# Altium PCB Lighting_Control_Board.PcbDoc (part 1 of 2) (continued)
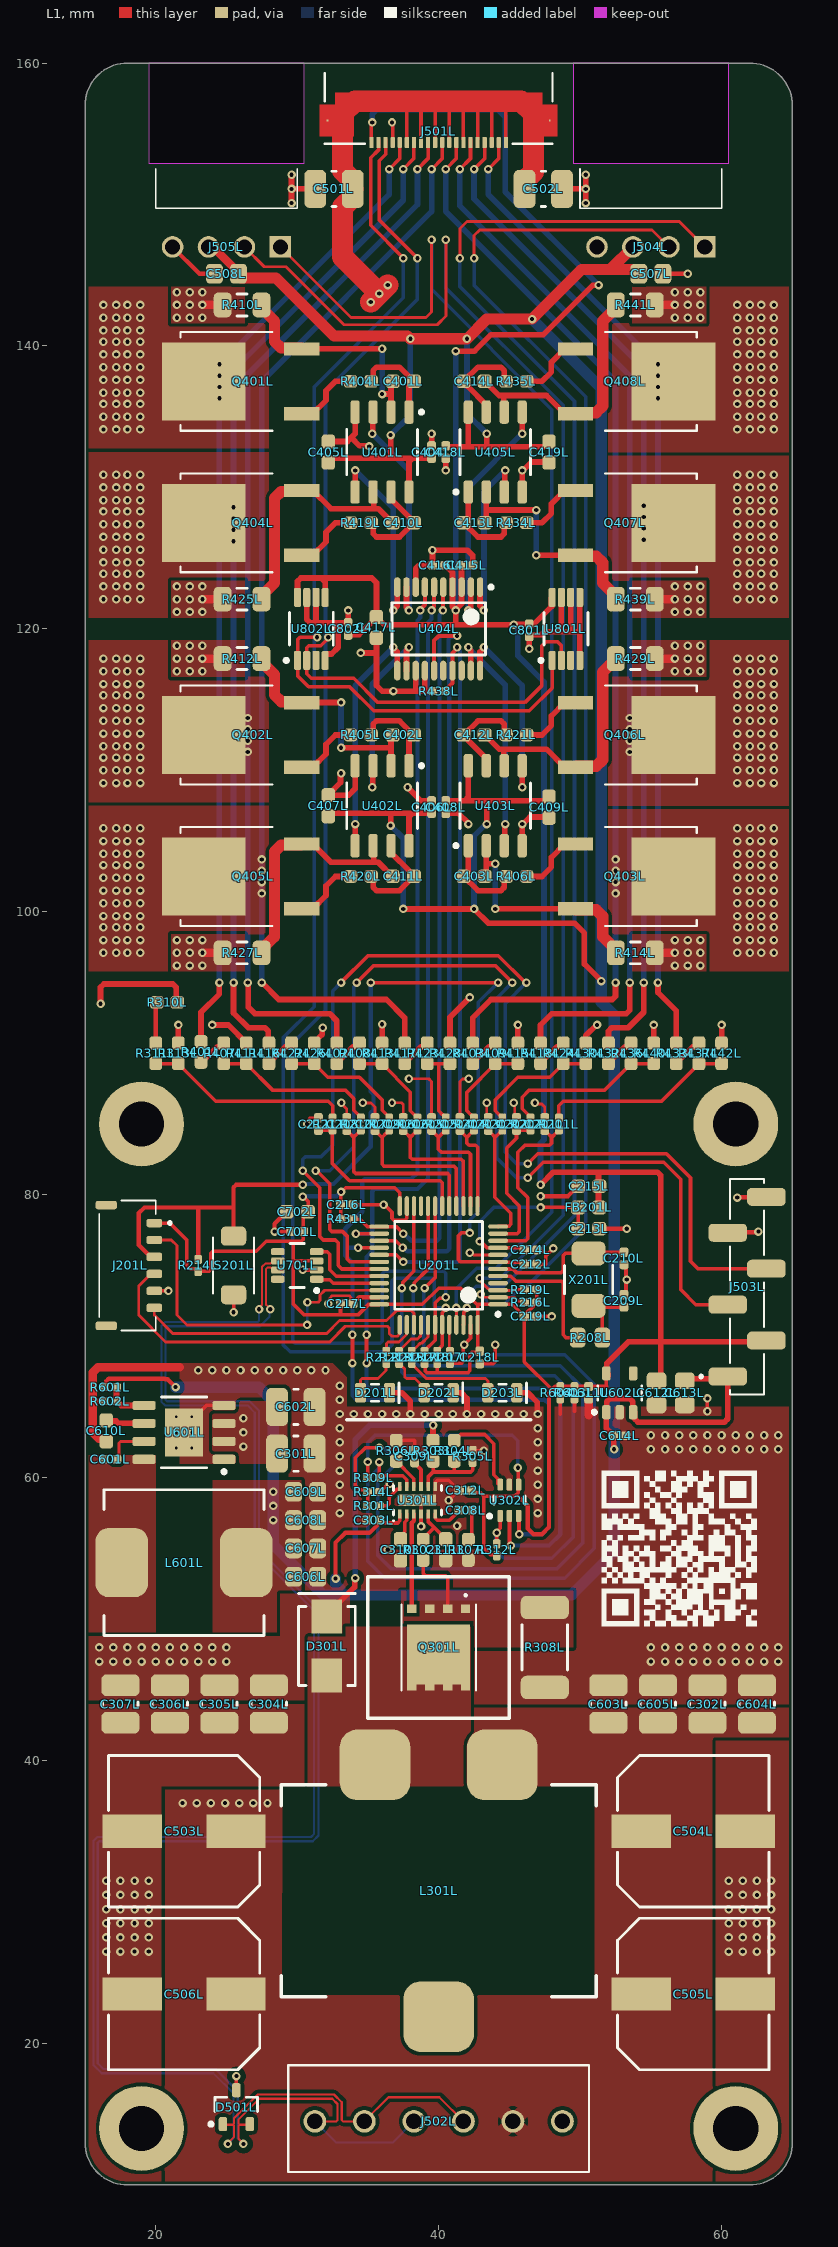
[diagram p0: L1 view]
## Part data (continued)
U201L: "MCU 32-bit STM32F1 ARM Cortex M3 RISC 64KB Flash 2.5V/3.3V 48-Pin LQFP Tray", Manufacturer=STMicroelectronics, Supplier Part Number=C8734, ComponentLink1Description="Manufacturer URL", ComponentLink1URL=http://www.st.com/web/en/home.html, ComponentLink2Description=Datasheet, ComponentLink2URL=http://www.st.com/st-web-ui/static/active/en/resource/technical/document/datasheet/CD00161566.pdf, ComponentLink3Description="Package Specification", ComponentLink3URL=http://www.st.com/st-web-ui/static/active/en/resource/technical/document/datasheet/DM00058181.pdf, ComponentLink4Description=https://datasheet.octopart.com:443/STM32F103C8T6-STMicroelectronics-datasheet-177520228.pdf?src-supplier=IHS, ComponentLink4URL=https://datasheet.octopart.com:443/STM32F103C8T6-STMicroelectronics-datasheet-177520228.pdf?src-supplier=IHS, ComponentLink5Description=https://datasheet.octopart.com:443/STM32F103C8T6-STMicroelectronics-datasheet-10330614.pdf?src-supplier=Newark, ComponentLink5URL=https://datasheet.octopart.com:443/STM32F103C8T6-STMicroelectronics-datasheet-10330614.pdf?src-supplier=Newark, ComponentLink6Description=https://datasheet.octopart.com:443/STM32F103C8T6-STMicroelectronics-datasheet-16839800.pdf?src-supplier=Newark, ComponentLink6URL=https://datasheet.octopart.com:443/STM32F103C8T6-STMicroelectronics-datasheet-16839800.pdf?src-supplier=Newark, ComponentLink7Description=https://datasheet.octopart.com:443/STM32F103C8T6-STMicroelectronics-datasheet-48026265.pdf?src-supplier=ICpick, ComponentLink7URL=https://datasheet.octopart.com:443/STM32F103C8T6-STMicroelectronics-datasheet-48026265.pdf?src-supplier=ICpick, ComponentLink8Description=https://datasheet.octopart.com:443/STM32F103C8T6-STMicroelectronics-datasheet-14363502.pdf?src-supplier=Farnell, ComponentLink8URL=https://datasheet.octopart.com:443/STM32F103C8T6-STMicroelectronics-datasheet-14363502.pdf?src-supplier=Farnell, ComponentLink9Description=https://datasheet.octopart.com:443/STM32F103C8T6-STMicroelectronics-datasheet-500013.pdf?src-supplier=Farnell, ComponentLink9URL=https://datasheet.octopart.com:443/STM32F103C8T6-STMicroelectronics-datasheet-500013.pdf?src-supplier=Farnell, ComponentLink10Description=https://datasheet.octopart.com:443/STM32F103C8T6-STMicroelectronics-datasheet-8365036.pdf?src-supplier=Farnell, ComponentLink10URL=https://datasheet.octopart.com:443/STM32F103C8T6-STMicroelectronics-datasheet-8365036.pdf?src-supplier=Farnell, ComponentLink11Description=https://datasheet.octopart.com:443/STM32F103C8T6-STMicroelectronics-datasheet-6396519.pdf?src-supplier=Verical, ComponentLink11URL=https://datasheet.octopart.com:443/STM32F103C8T6-STMicroelectronics-datasheet-6396519.pdf?src-supplier=Verical, ComponentLink12Description=https://datasheet.octopart.com:443/STM32F103C8T6-STMicroelectronics-datasheet-21407612.pdf?src-supplier=element14+APAC, ComponentLink12URL=https://datasheet.octopart.com:443/STM32F103C8T6-STMicroelectronics-datasheet-21407612.pdf?src-supplier=element14+APAC, ComponentLink13Description=https://datasheet.octopart.com:443/STM32F103C8T6-STMicroelectronics-datasheet-8700640.pdf?src-supplier=element14, ComponentLink13URL=https://datasheet.octopart.com:443/STM32F103C8T6-STMicroelectronics-datasheet-8700640.pdf?src-supplier=element14, ComponentLink14Description=https://datasheet.octopart.com:443/STM32F103C8T6-STMicroelectronics-datasheet-165583531.pdf?src-supplier=SOS+electronic, ComponentLink14URL=https://datasheet.octopart.com:443/STM32F103C8T6-STMicroelectronics-datasheet-165583531.pdf?src-supplier=SOS+electronic, ComponentLink15Description=https://datasheet.octopart.com:443/STM32F103C8T6-STMicroelectronics-datasheet-14106722.pdf?src-supplier=iiiC, ComponentLink15URL=https://datasheet.octopart.com:443/STM32F103C8T6-STMicroelectronics-datasheet-14106722.pdf?src-supplier=iiiC, ComponentLink16Description=https://datasheet.octopart.com:443/STM32F103C8T6-STMicroelectronics-datasheet-17594274.pdf?src-supplier=TME, ComponentLink16URL=https://datasheet.octopart.com:443/STM32F103C8T6-STMicroelectronics-datasheet-17594274.pdf?src-supplier=TME, ComponentLink17Description=https://datasheet.octopart.com:443/STM32F103C8T6-STMicroelectronics-datasheet-148251.pdf?src-supplier=Nu+Horizons, ComponentLink17URL=https://datasheet.octopart.com:443/STM32F103C8T6-STMicroelectronics-datasheet-148251.pdf?src-supplier=Nu+Horizons, Manufacturer Part Number=STM32F103C8T6, Supplier=LCSC
U301L: "2.2-MHz wide VIN, 1.5-A MOSFET driver, non-synchronous boost controller 12-WSON -40 to 125", Manufacturer="Texas Instruments", Supplier Part Number=C545416, ComponentLink1Description=https://octopart.com:443/opatz8j6/c1?t=c6AIob-Iis5SCHoBiusPCSqKGZ6B3yXO_U7xbhFU7xhSMeB0ZeEkSUNUQrZzrRJP1_k85mtbti4vGlCTcOsXwVX25JijyylDGytaFLaL5gCDTV6azvvJNDFVjU-1MpCvY-npD-y8Wq28vOVWJlIMGaErbmOh13xsk97pF5Oe2TpCHsvXUcof-Z0lbHCwiu-uGpE3CZ7f8b3u_BmxVnUzB-lg6luF278GTWjsnitjY7BOM0TFzqMffBAQyuC6YmAEr1bu-n7HivHCNiNXuB8H3vkZJAyqKEY35f0mmJ1017i2NvX7QV85zrQtzrulQpy6NnYKH1ppxjRNOWBVWR20Kd34QhGDayBEbZEWVyLaYYg5i9WcjOQ8vKKJ561E9IYA2-TIkA&src-supplier=Texas+Instruments, ComponentLink1URL=https://octopart.com:443/opatz8j6/c1?t=c6AIob-Iis5SCHoBiusPCSqKGZ6B3yXO_U7xbhFU7xhSMeB0ZeEkSUNUQrZzrRJP1_k85mtbti4vGlCTcOsXwVX25JijyylDGytaFLaL5gCDTV6azvvJNDFVjU-1MpCvY-npD-y8Wq28vOVWJlIMGaErbmOh13xsk97pF5Oe2TpCHsvXUcof-Z0lbHCwiu-uGpE3CZ7f8b3u_BmxVnUzB-lg6luF278GTWjsnitjY7BOM0TFzqMffBAQyuC6YmAEr1bu-n7HivHCNiNXuB8H3vkZJAyqKEY35f0mmJ1017i2NvX7QV85zrQtzrulQpy6NnYKH1ppxjRNOWBVWR20Kd34QhGDayBEbZEWVyLaYYg5i9WcjOQ8vKKJ561E9IYA2-TIkA&src-supplier=Texas+Instruments, ComponentLink2Description=https://sigma.octopart.com:443/81678663/technical_drawing/Texas-Instruments-LM5155DSSR.pdf?src-supplier=Texas+Instruments, ComponentLink2URL=https://sigma.octopart.com:443/81678663/technical_drawing/Texas-Instruments-LM5155DSSR.pdf?src-supplier=Texas+Instruments, ComponentLink3Description=https://datasheet.octopart.com:443/LM5155DSSR-Texas-Instruments-datasheet-151051505.pdf?src-supplier=Upverter, ComponentLink3URL=https://datasheet.octopart.com:443/LM5155DSSR-Texas-Instruments-datasheet-151051505.pdf?src-supplier=Upverter, ComponentLink4Description=http://sigma.octopart.com:80/reach_statement/Texas-Instruments-company-64.pdf?src-supplier=Compliance+Statements, ComponentLink4URL=http://sigma.octopart.com:80/reach_statement/Texas-Instruments-company-64.pdf?src-supplier=Compliance+Statements, ComponentLink5Description=http://sigma.octopart.com:80/conflict_mineral_statement/Texas-Instruments-company-63.pdf?src-supplier=Compliance+Statements, ComponentLink5URL=http://sigma.octopart.com:80/conflict_mineral_statement/Texas-Instruments-company-63.pdf?src-supplier=Compliance+Statements, Manufacturer Part Number=LM5155DSSR, Supplier=LCSC
U302L: "Serial Input Loading 12 Us Settling Time 12-BIT Dac PDSO6", Manufacturer="Texas Instruments", Supplier Part Number=C128601, ComponentLink1Description="Manufacturer URL", ComponentLink1URL=http://www.ti.com/, ComponentLink2Description=Datasheet, ComponentLink2URL=http://www.ti.com/general/docs/lit/getliterature.tsp?genericPartNumber=DAC7311&fileType=pdf, ComponentLink3Description="Package Specification", ComponentLink3URL=http://www.ti.com/litv/pdf/mpds114c, ComponentLink4Description=https://sigma.octopart.com:443/182282881/technical_drawing/Texas-Instruments-DAC7311IDCKR.pdf?src-supplier=Texas+Instruments, ComponentLink4URL=https://sigma.octopart.com:443/182282881/technical_drawing/Texas-Instruments-DAC7311IDCKR.pdf?src-supplier=Texas+Instruments, ComponentLink5Description=https://octopart.com:443/opatz8j6/c1?t=2KETCDy_2XCpEaIION83i5k8TuftEjSi2GbWOw_qo10edj8pd2Ij22i0XVbEVimU3XfT4Dwy0zvRcHo12RtAkjT_lXRETWSaOTN605VKAD_QD9A4F6nS3TQkMeyH6ZNcgf9NmpnLqI4V3ZWtE3fce-K3ksoXvStTjPj_p3eHadMO6FTem4P8suCCBMAeXQ3cF2ZGfAjbjo1W8dQ8sAUqQo2dDJryWNEurCbU8H4mdn4BzXvX04lW5VQAJ7kKqrZqoks6u45qe-rKP5ZE3BXHPvRfjOKJkv7EdPKAAVY2RYnZphVYTAjhEGhvzzmfVTHU90-KdXx7mFsRse6CB8QLNpxBmoATKeWYRKwDC3MqVaFF2J9jNoMCd24YA_VQnpHrqSQzPw&src-supplier=Texas+Instruments, ComponentLink5URL=https://octopart.com:443/opatz8j6/c1?t=2KETCDy_2XCpEaIION83i5k8TuftEjSi2GbWOw_qo10edj8pd2Ij22i0XVbEVimU3XfT4Dwy0zvRcHo12RtAkjT_lXRETWSaOTN605VKAD_QD9A4F6nS3TQkMeyH6ZNcgf9NmpnLqI4V3ZWtE3fce-K3ksoXvStTjPj_p3eHadMO6FTem4P8suCCBMAeXQ3cF2ZGfAjbjo1W8dQ8sAUqQo2dDJryWNEurCbU8H4mdn4BzXvX04lW5VQAJ7kKqrZqoks6u45qe-rKP5ZE3BXHPvRfjOKJkv7EdPKAAVY2RYnZphVYTAjhEGhvzzmfVTHU90-KdXx7mFsRse6CB8QLNpxBmoATKeWYRKwDC3MqVaFF2J9jNoMCd24YA_VQnpHrqSQzPw&src-supplier=Texas+Instruments, ComponentLink6Description=https://datasheet.octopart.com:443/DAC7311IDCKR-Texas-Instruments-datasheet-27379471.pdf?src-supplier=Texas+Instruments, ComponentLink6URL=https://datasheet.octopart.com:443/DAC7311IDCKR-Texas-Instruments-datasheet-27379471.pdf?src-supplier=Texas+Instruments, ComponentLink7Description=https://sigma.octopart.com:443/178868976/technical_drawing/Texas-Instruments-DAC7311IDCKR.pdf?src-supplier=Texas+Instruments, ComponentLink7URL=https://sigma.octopart.com:443/178868976/technical_drawing/Texas-Instruments-DAC7311IDCKR.pdf?src-supplier=Texas+Instruments, ComponentLink8Description=https://datasheet.octopart.com:443/DAC7311IDCKR-Texas-Instruments-datasheet-10283997.pdf?src-supplier=Texas+Instruments, ComponentLink8URL=https://datasheet.octopart.com:443/DAC7311IDCKR-Texas-Instruments-datasheet-10283997.pdf?src-supplier=Texas+Instruments, ComponentLink9Description=https://datasheet.octopart.com:443/DAC7311IDCKR-Texas-Instruments-datasheet-10257199.pdf?src-supplier=Texas+Instruments, ComponentLink9URL=https://datasheet.octopart.com:443/DAC7311IDCKR-Texas-Instruments-datasheet-10257199.pdf?src-supplier=Texas+Instruments, ComponentLink10Description=https://sigma.octopart.com:443/49249328/technical_drawing/Texas-Instruments-DAC7311IDCKR.pdf?src-supplier=Texas+Instruments, ComponentLink10URL=https://sigma.octopart.com:443/49249328/technical_drawing/Texas-Instruments-DAC7311IDCKR.pdf?src-supplier=Texas+Instruments, ComponentLink11Description=https://datasheet.octopart.com:443/DAC7311IDCKR-Texas-Instruments-datasheet-15685715.pdf?src-supplier=Newark, ComponentLink11URL=https://datasheet.octopart.com:443/DAC7311IDCKR-Texas-Instruments-datasheet-15685715.pdf?src-supplier=Newark, ComponentLink12Description=https://datasheet.octopart.com:443/DAC7311IDCKR-Texas-Instruments-datasheet-11536750.pdf?src-supplier=Newark, ComponentLink12URL=https://datasheet.octopart.com:443/DAC7311IDCKR-Texas-Instruments-datasheet-11536750.pdf?src-supplier=Newark, ComponentLink13Description=https://datasheet.octopart.com:443/DAC7311IDCKR-Texas-Instruments-datasheet-48920847.pdf?src-supplier=Upverter, ComponentLink13URL=https://datasheet.octopart.com:443/DAC7311IDCKR-Texas-Instruments-datasheet-48920847.pdf?src-supplier=Upverter, ComponentLink14Description=https://datasheet.octopart.com:443/DAC7311IDCKR-Texas-Instruments-datasheet-159114947.pdf?src-supplier=SHENGYU+ELECTRONICS, ComponentLink14URL=https://datasheet.octopart.com:443/DAC7311IDCKR-Texas-Instruments-datasheet-159114947.pdf?src-supplier=SHENGYU+ELECTRONICS, ComponentLink15Description=https://datasheet.octopart.com:443/DAC7311IDCKR-Texas-Instruments-datasheet-165803864.pdf?src-supplier=LCSC, ComponentLink15URL=https://datasheet.octopart.com:443/DAC7311IDCKR-Texas-Instruments-datasheet-165803864.pdf?src-supplier=LCSC, ComponentLink16Description=https://datasheet.octopart.com:443/DAC7311IDCKR-Texas-Instruments-datasheet-14102677.pdf?src-supplier=iiiC, ComponentLink16URL=https://datasheet.octopart.com:443/DAC7311IDCKR-Texas-Instruments-datasheet-14102677.pdf?src-supplier=iiiC, ComponentLink17Description=http://sigma.octopart.com:80/reach_statement/Texas-Instruments-company-64.pdf?src-supplier=Compliance+Statements, ComponentLink17URL=http://sigma.octopart.com:80/reach_statement/Texas-Instruments-company-64.pdf?src-supplier=Compliance+Statements, ComponentLink18Description=http://sigma.octopart.com:80/conflict_mineral_statement/Texas-Instruments-company-63.pdf?src-supplier=Compliance+Statements, ComponentLink18URL=http://sigma.octopart.com:80/conflict_mineral_statement/Texas-Instruments-company-63.pdf?src-supplier=Compliance+Statements, Manufacturer Part Number=DAC7311IDCKR, Supplier=LCSC
U401L U402L U403L U405L: "IC OPAMP ZERO-DRIFT 2 CIRC 8SOIC Zero-Drift Amplifier 2 Circuit Rail-to-Rail 8-SOIC", Manufacturer="Texas Instruments", Supplier Part Number=C17271, ComponentLink1Description="Manufacturer URL", ComponentLink1URL=http://www.ti.com/, ComponentLink2Description=Datasheet, ComponentLink2URL=http://www.ti.com/lit/ds/symlink/opa2188.pdf, ComponentLink3Description="Package Specification", ComponentLink3URL=http://www.ti.com/litv/pdf/msoi002j, ComponentLink4Description=https://datasheet.octopart.com:443/OPA2188AIDR-Texas-Instruments-datasheet-21222635.pdf?src-supplier=Texas+Instruments, ComponentLink4URL=https://datasheet.octopart.com:443/OPA2188AIDR-Texas-Instruments-datasheet-21222635.pdf?src-supplier=Texas+Instruments, ComponentLink5Description=https://octopart.com:443/opatz8j6/c1?t=IMri9aKVNKnNSJe6QKdhpKUAswEjm9itsrwZiWD12ZA2sfxNDFSoS1fdlpT1GHkTnAEWFlwDjaTZizx3BKk4Dlz1a3ZXhKDAWlmcgRSCliu4MlGwQG4Bg6vwBhFDGn2h4NPHb6a7RNYKZICKPgNUpywepHMPoRno59HQ-f8BAYTZTcejTqE_mg9HZQSSyNt_QNZmYQ7VeXiD2fW5XUMJLX2otfViFjAkFALPfYXiyRVQHiczSOa6cVebPhWbe0i6weLxeTtvHA6DtgnGr1O0tSnmslFh1pZdJIJiachky7kzBCc13hCJ-_2ba7FA5oCeo_5n8LGHI3V_S6frgRdPIU8DSYwNxP0iHszQlm7RQCpEylVr3bG6QuIh9GJlnpL-jvtbGxM&src-supplier=Texas+Instruments, ComponentLink5URL=https://octopart.com:443/opatz8j6/c1?t=IMri9aKVNKnNSJe6QKdhpKUAswEjm9itsrwZiWD12ZA2sfxNDFSoS1fdlpT1GHkTnAEWFlwDjaTZizx3BKk4Dlz1a3ZXhKDAWlmcgRSCliu4MlGwQG4Bg6vwBhFDGn2h4NPHb6a7RNYKZICKPgNUpywepHMPoRno59HQ-f8BAYTZTcejTqE_mg9HZQSSyNt_QNZmYQ7VeXiD2fW5XUMJLX2otfViFjAkFALPfYXiyRVQHiczSOa6cVebPhWbe0i6weLxeTtvHA6DtgnGr1O0tSnmslFh1pZdJIJiachky7kzBCc13hCJ-_2ba7FA5oCeo_5n8LGHI3V_S6frgRdPIU8DSYwNxP0iHszQlm7RQCpEylVr3bG6QuIh9GJlnpL-jvtbGxM&src-supplier=Texas+Instruments, ComponentLink6Description=https://datasheet.octopart.com:443/OPA2188AIDR-Texas-Instruments-datasheet-12081918.pdf?src-supplier=Texas+Instruments, ComponentLink6URL=https://datasheet.octopart.com:443/OPA2188AIDR-Texas-Instruments-datasheet-12081918.pdf?src-supplier=Texas+Instruments, ComponentLink7Description=https://datasheet.octopart.com:443/OPA2188AIDR-Texas-Instruments-datasheet-11516531.pdf?src-supplier=Texas+Instruments, ComponentLink7URL=https://datasheet.octopart.com:443/OPA2188AIDR-Texas-Instruments-datasheet-11516531.pdf?src-supplier=Texas+Instruments, ComponentLink8Description=https://sigma.octopart.com:443/49249642/technical_drawing/Texas-Instruments-OPA2188AIDR.pdf?src-supplier=Texas+Instruments, ComponentLink8URL=https://sigma.octopart.com:443/49249642/technical_drawing/Texas-Instruments-OPA2188AIDR.pdf?src-supplier=Texas+Instruments, ComponentLink9Description=https://datasheet.octopart.com:443/OPA2188AIDR-Texas-Instruments-datasheet-16079768.pdf?src-supplier=Upverter, ComponentLink9URL=https://datasheet.octopart.com:443/OPA2188AIDR-Texas-Instruments-datasheet-16079768.pdf?src-supplier=Upverter, ComponentLink10Description=https://datasheet.octopart.com:443/OPA2188AIDR-Texas-Instruments-datasheet-65713359.pdf?src-supplier=element14+APAC, ComponentLink10URL=https://datasheet.octopart.com:443/OPA2188AIDR-Texas-Instruments-datasheet-65713359.pdf?src-supplier=element14+APAC, ComponentLink11Description=https://datasheet.octopart.com:443/OPA2188AIDR-Texas-Instruments-datasheet-61210595.pdf?src-supplier=Newark, ComponentLink11URL=https://datasheet.octopart.com:443/OPA2188AIDR-Texas-Instruments-datasheet-61210595.pdf?src-supplier=Newark, ComponentLink12Description=https://datasheet.octopart.com:443/OPA2188AIDR-Texas-Instruments-datasheet-165804230.pdf?src-supplier=LCSC, ComponentLink12URL=https://datasheet.octopart.com:443/OPA2188AIDR-Texas-Instruments-datasheet-165804230.pdf?src-supplier=LCSC, ComponentLink13Description=https://datasheet.octopart.com:443/OPA2188AIDR-Texas-Instruments-datasheet-159115565.pdf?src-supplier=LCSC, ComponentLink13URL=https://datasheet.octopart.com:443/OPA2188AIDR-Texas-Instruments-datasheet-159115565.pdf?src-supplier=LCSC, ComponentLink14Description=https://datasheet.octopart.com:443/OPA2188AIDR-Texas-Instruments-datasheet-140571586.pdf?src-supplier=Arrow.cn, ComponentLink14URL=https://datasheet.octopart.com:443/OPA2188AIDR-Texas-Instruments-datasheet-140571586.pdf?src-supplier=Arrow.cn, ComponentLink15Description=https://datasheet.octopart.com:443/OPA2188AIDR-Texas-Instruments-datasheet-11889666.pdf?src-supplier=Arrow+Electronics, ComponentLink15URL=https://datasheet.octopart.com:443/OPA2188AIDR-Texas-Instruments-datasheet-11889666.pdf?src-supplier=Arrow+Electronics, ComponentLink16Description=http://sigma.octopart.com:80/reach_statement/Texas-Instruments-company-64.pdf?src-supplier=Compliance+Statements, ComponentLink16URL=http://sigma.octopart.com:80/reach_statement/Texas-Instruments-company-64.pdf?src-supplier=Compliance+Statements, ComponentLink17Description=http://sigma.octopart.com:80/conflict_mineral_statement/Texas-Instruments-company-63.pdf?src-supplier=Compliance+Statements, ComponentLink17URL=http://sigma.octopart.com:80/conflict_mineral_statement/Texas-Instruments-company-63.pdf?src-supplier=Compliance+Statements, Manufacturer Part Number=OPA2188AIDR, Supplier=LCSC
U404L: "-40℃~+125℃ 1.8mA 12 1LSB 2.7V~5.5V 2ppm/℃ 5us 8 Built-in Built-in SPI Voltage Buffer TSSOP-20 Digital to Analog Converters (DAC) ROHS", Manufacturer="Analog Devices", Supplier Part Number=C650034, Manufacturer Part Number=AD5672RBRUZ, Supplier=LCSC
U601L: "IC REG BUCK ADJ 2A 8SOPWR \"Buck Switching Regulator IC Positive Adjustable 1V 1 Output 2A 8-PowerSOIC (0.154\"\",...", Manufacturer="Texas Instruments", Supplier Part Number=C1858395, ComponentLink1Description=https://sigma.octopart.com:443/104526336/technical_drawing/Texas-Instruments-LMR36520FADDAR.pdf?src-supplier=Texas+Instruments, ComponentLink1URL=https://sigma.octopart.com:443/104526336/technical_drawing/Texas-Instruments-LMR36520FADDAR.pdf?src-supplier=Texas+Instruments, ComponentLink2Description=https://octopart.com:443/opatz8j6/c1?t=mHbzaQ1Tht0UV9nehfg5JiUnlsE_g6jEQZu4cgLsz7FdSPytCj4GT_8w8awNCG6PeU6TxqmtEJrkUBGGJyvku2gjVBep4h00nAZ89dcXKNnd2gG9g6d4C5g0wp9xiQcjuA7ti1nzwa8x6zdLsfl0B3HqFDAGiJbSO8y9Ls0L_BPMX5u4Slhfpg6UDt9-0_9nl2Xjgzq1NNSuayRbQs-ujVhBD533bHdfFlc8CK607Dk82q2-Km0ow_-B3-tyW-LMsF-2gB6GxyOaUT341cgLMJHM3d0VyX_1JRL2UCDs5TRoGisOmXnK4bktZIfSp2ik0ZADK5Vy-TlIZkce9k04I79soOuKbQPdC4RFs6ama8YLpD5h656EQwzMTtUILFiaUT_aq65E-A&src-supplier=Texas+Instruments, ComponentLink2URL=https://octopart.com:443/opatz8j6/c1?t=mHbzaQ1Tht0UV9nehfg5JiUnlsE_g6jEQZu4cgLsz7FdSPytCj4GT_8w8awNCG6PeU6TxqmtEJrkUBGGJyvku2gjVBep4h00nAZ89dcXKNnd2gG9g6d4C5g0wp9xiQcjuA7ti1nzwa8x6zdLsfl0B3HqFDAGiJbSO8y9Ls0L_BPMX5u4Slhfpg6UDt9-0_9nl2Xjgzq1NNSuayRbQs-ujVhBD533bHdfFlc8CK607Dk82q2-Km0ow_-B3-tyW-LMsF-2gB6GxyOaUT341cgLMJHM3d0VyX_1JRL2UCDs5TRoGisOmXnK4bktZIfSp2ik0ZADK5Vy-TlIZkce9k04I79soOuKbQPdC4RFs6ama8YLpD5h656EQwzMTtUILFiaUT_aq65E-A&src-supplier=Texas+Instruments, ComponentLink3Description=http://sigma.octopart.com:80/reach_statement/Texas-Instruments-company-64.pdf?src-supplier=Compliance+Statements, ComponentLink3URL=http://sigma.octopart.com:80/reach_statement/Texas-Instruments-company-64.pdf?src-supplier=Compliance+Statements, ComponentLink4Description=http://sigma.octopart.com:80/conflict_mineral_statement/Texas-Instruments-company-63.pdf?src-supplier=Compliance+Statements, ComponentLink4URL=http://sigma.octopart.com:80/conflict_mineral_statement/Texas-Instruments-company-63.pdf?src-supplier=Compliance+Statements, Manufacturer Part Number=LMR36520FADDAR, Supplier=LCSC
U602L: "1-A, low-IQ high-accuracy low-dropout (LDO) voltage regulator with enable 5-SOT-23 -40 to 125", Manufacturer="Texas Instruments", Supplier Part Number=C485517, ComponentLink1Description=https://sigma.octopart.com:443/177332311/technical_drawing/Texas-Instruments-TLV75733PDBVR.pdf?src-supplier=Texas+Instruments, ComponentLink1URL=https://sigma.octopart.com:443/177332311/technical_drawing/Texas-Instruments-TLV75733PDBVR.pdf?src-supplier=Texas+Instruments, ComponentLink2Description=https://octopart.com:443/opatz8j6/c1?t=6lDysvEzJMqV3aXU7XwswX-NmoIVKIpd3xMvh1jAIanRe4xqKcgWItUPj8N2Urd19DgEQX7Si0USgCZNUOCflsoBJm1ijCIgGCUOB1WaCybT4cY9c_KHWWyCTPMmLtAeSRmCMbORwkbpXPuDyLPTDJz2-yywwnrOMDSerR3rCfsbOmzOtwiuPfr5QO4UlCRj3n_a4RYvCi2S1TtCu7mUS0uhSmcIA5DP_e85TwisM18oaq8hQoRDdOm0GDJCJDLnhdkPe_6JZyh9RLZ6A19nNgObwn704rdDc8n-wDuSG4qMO_GAqGfOTEiVWd-LL-II0Cb0Q5yJpDhKRKft5bJVAG82wJ2i-Vgi_ReSvuynMFzgY6dAU0sHSHvmH4001BANddGd7Q&src-supplier=Texas+Instruments, ComponentLink2URL=https://octopart.com:443/opatz8j6/c1?t=6lDysvEzJMqV3aXU7XwswX-NmoIVKIpd3xMvh1jAIanRe4xqKcgWItUPj8N2Urd19DgEQX7Si0USgCZNUOCflsoBJm1ijCIgGCUOB1WaCybT4cY9c_KHWWyCTPMmLtAeSRmCMbORwkbpXPuDyLPTDJz2-yywwnrOMDSerR3rCfsbOmzOtwiuPfr5QO4UlCRj3n_a4RYvCi2S1TtCu7mUS0uhSmcIA5DP_e85TwisM18oaq8hQoRDdOm0GDJCJDLnhdkPe_6JZyh9RLZ6A19nNgObwn704rdDc8n-wDuSG4qMO_GAqGfOTEiVWd-LL-II0Cb0Q5yJpDhKRKft5bJVAG82wJ2i-Vgi_ReSvuynMFzgY6dAU0sHSHvmH4001BANddGd7Q&src-supplier=Texas+Instruments, ComponentLink3Description=https://sigma.octopart.com:443/175570406/technical_drawing/Texas-Instruments-TLV75733PDBVR.pdf?src-supplier=Texas+Instruments, ComponentLink3URL=https://sigma.octopart.com:443/175570406/technical_drawing/Texas-Instruments-TLV75733PDBVR.pdf?src-supplier=Texas+Instruments, ComponentLink4Description=https://sigma.octopart.com:443/169406034/technical_drawing/Texas-Instruments-TLV75733PDBVR.pdf?src-supplier=Texas+Instruments, ComponentLink4URL=https://sigma.octopart.com:443/169406034/technical_drawing/Texas-Instruments-TLV75733PDBVR.pdf?src-supplier=Texas+Instruments, ComponentLink5Description=https://sigma.octopart.com:443/155939316/technical_drawing/Texas-Instruments-TLV75733PDBVR.pdf?src-supplier=Texas+Instruments, ComponentLink5URL=https://sigma.octopart.com:443/155939316/technical_drawing/Texas-Instruments-TLV75733PDBVR.pdf?src-supplier=Texas+Instruments, ComponentLink6Description=https://sigma.octopart.com:443/102331370/technical_drawing/Texas-Instruments-TLV75733PDBVR.pdf?src-supplier=Texas+Instruments, ComponentLink6URL=https://sigma.octopart.com:443/102331370/technical_drawing/Texas-Instruments-TLV75733PDBVR.pdf?src-supplier=Texas+Instruments, ComponentLink7Description=https://datasheet.octopart.com:443/TLV75733PDBVR-Texas-Instruments-datasheet-164419132.pdf?src-supplier=Augswan, ComponentLink7URL=https://datasheet.octopart.com:443/TLV75733PDBVR-Texas-Instruments-datasheet-164419132.pdf?src-supplier=Augswan, ComponentLink8Description=https://datasheet.octopart.com:443/TLV75733PDBVR-Texas-Instruments-datasheet-165804641.pdf?src-supplier=LCSC, ComponentLink8URL=https://datasheet.octopart.com:443/TLV75733PDBVR-Texas-Instruments-datasheet-165804641.pdf?src-supplier=LCSC, ComponentLink9Description=https://datasheet.octopart.com:443/TLV75733PDBVR-Texas-Instruments-datasheet-159117837.pdf?src-supplier=LCSC, ComponentLink9URL=https://datasheet.octopart.com:443/TLV75733PDBVR-Texas-Instruments-datasheet-159117837.pdf?src-supplier=LCSC, ComponentLink10Description=http://sigma.octopart.com:80/reach_statement/Texas-Instruments-company-64.pdf?src-supplier=Compliance+Statements, ComponentLink10URL=http://sigma.octopart.com:80/reach_statement/Texas-Instruments-company-64.pdf?src-supplier=Compliance+Statements, ComponentLink11Description=http://sigma.octopart.com:80/conflict_mineral_statement/Texas-Instruments-company-63.pdf?src-supplier=Compliance+Statements, ComponentLink11URL=http://sigma.octopart.com:80/conflict_mineral_statement/Texas-Instruments-company-63.pdf?src-supplier=Compliance+Statements, Manufacturer Part Number=TLV75733PDBVR, Supplier=LCSC
U701L: "e4 TCAN332 Tape & Reel (TR) CANbus interface transceiver 120mV 1.45mm -40C~125C", Manufacturer="Texas Instruments", Manufacturer Part Number=TCAN332DCNR, Supplier Part Number=C544741, ComponentLink1Description=https://octopart.com:443/opatz8j6/c1?t=dG_SbUxjQzVgJnJPP-2szSeqPAb3X7H8tWfQI62VRO9uZnrLmFg3TWU_z67q9kIDviF4FN_TCsqeSfeEDt3cWUaO61NG9QDI_Eb50Secyx7936ozK0zPGmHWFTaG3DsBBHgi4s8MSZ62e4_WQc34t8bGaKb-7TAP0eyksxQ1enmXlBpFOua48LsekYnSoJ2L-d640ZUPpAGxHdgwmtr-Rm6Has3v9oCmMUHqPAq5ix4xFEIyP5I_SVLeVktE-3aAwIYQSiOANKmcXVzf_801AnYlO65In04uFc_5rjJ_JVYSqe5kmTcE2eLvcvt7n5SpzoA4fGOFnErTL0ZS-9x5xsgIoYsvbbTZ1_6kN_AAgYZyOVAEksG_LnTkXIJbDMRPYtvLom8&src-supplier=Texas+Instruments, ComponentLink1URL=https://octopart.com:443/opatz8j6/c1?t=dG_SbUxjQzVgJnJPP-2szSeqPAb3X7H8tWfQI62VRO9uZnrLmFg3TWU_z67q9kIDviF4FN_TCsqeSfeEDt3cWUaO61NG9QDI_Eb50Secyx7936ozK0zPGmHWFTaG3DsBBHgi4s8MSZ62e4_WQc34t8bGaKb-7TAP0eyksxQ1enmXlBpFOua48LsekYnSoJ2L-d640ZUPpAGxHdgwmtr-Rm6Has3v9oCmMUHqPAq5ix4xFEIyP5I_SVLeVktE-3aAwIYQSiOANKmcXVzf_801AnYlO65In04uFc_5rjJ_JVYSqe5kmTcE2eLvcvt7n5SpzoA4fGOFnErTL0ZS-9x5xsgIoYsvbbTZ1_6kN_AAgYZyOVAEksG_LnTkXIJbDMRPYtvLom8&src-supplier=Texas+Instruments, ComponentLink2Description=https://datasheet.octopart.com:443/TCAN332DCNR-Texas-Instruments-datasheet-61500394.pdf?src-supplier=Texas+Instruments, ComponentLink2URL=https://datasheet.octopart.com:443/TCAN332DCNR-Texas-Instruments-datasheet-61500394.pdf?src-supplier=Texas+Instruments, ComponentLink3Description=https://sigma.octopart.com:443/49252122/technical_drawing/Texas-Instruments-TCAN332DCNR.pdf?src-supplier=Texas+Instruments, ComponentLink3URL=https://sigma.octopart.com:443/49252122/technical_drawing/Texas-Instruments-TCAN332DCNR.pdf?src-supplier=Texas+Instruments, ComponentLink4Description=https://datasheet.octopart.com:443/TCAN332DCNR-Texas-Instruments-datasheet-149637585.pdf?src-supplier=Upverter, ComponentLink4URL=https://datasheet.octopart.com:443/TCAN332DCNR-Texas-Instruments-datasheet-149637585.pdf?src-supplier=Upverter, ComponentLink5Description=https://datasheet.octopart.com:443/TCAN332DCNR-Texas-Instruments-datasheet-192327331.pdf?src-supplier=HQonline, ComponentLink5URL=https://datasheet.octopart.com:443/TCAN332DCNR-Texas-Instruments-datasheet-192327331.pdf?src-supplier=HQonline, ComponentLink6Description=https://datasheet.octopart.com:443/TCAN332DCNR-Texas-Instruments-datasheet-164418215.pdf?src-supplier=SHENGYU+ELECTRONICS, ComponentLink6URL=https://datasheet.octopart.com:443/TCAN332DCNR-Texas-Instruments-datasheet-164418215.pdf?src-supplier=SHENGYU+ELECTRONICS, ComponentLink7Description=http://sigma.octopart.com:80/reach_statement/Texas-Instruments-company-64.pdf?src-supplier=Compliance+Statements, ComponentLink7URL=http://sigma.octopart.com:80/reach_statement/Texas-Instruments-company-64.pdf?src-supplier=Compliance+Statements, ComponentLink8Description=http://sigma.octopart.com:80/conflict_mineral_statement/Texas-Instruments-company-63.pdf?src-supplier=Compliance+Statements, ComponentLink8URL=http://sigma.octopart.com:80/conflict_mineral_statement/Texas-Instruments-company-63.pdf?src-supplier=Compliance+Statements, Supplier=LCSC
U801L U802L: "-55℃~+125℃ 100ms 3V~5.5V 500nA 9bit I2C ±2℃ VSSOP-8-0.65mm Temperature Sensors ROHS", Manufacturer="Texas Instruments", Supplier Part Number=C543061, Manufacturer Part Number=LM75BIMMX-3/NOPB, Supplier=LCSC
X201L: "Passive Crystal Oscillators 8MHz ±10ppm 20pF 80Ω SMD5032-2P SMT -40℃~+85℃", Manufacturer=YXC, Supplier Part Number=C115962, Manufacturer Part Number=X50328MSB2GI, Supplier=LCSC

## Free pads (board coordinates)
  round 6 hole 3.2: ""(19,14) ""(19,85) ""(61,14) ""(61,85)

## Via types
v1: diameter 0.6, hole 0.3, L1 to L4, tented both sides, 807 vias
v2: diameter 0.5, hole 0.2, L1 to L4, 6 vias

## Nets (pads, with @x,y where several pads share a name; then routed paths per layer and width w, separated by ;. In a path a pad name is that pad's centre, name@x,y a point inside that pad or via, vN(x,y) a via of type N, cw(c..) or ccw(c..) an arc to the next point about the centre after c; other vN are vias at no path point)
3.3V: C215L.2 C216L.2 C217L.2 C218L.2 C219L.2 C312L.2 C415L.2 C416L.2 C417L.2 C611L.2 C612L.2 C701L.2 C702L.2 C801L.2 C802L.2 FB201L.1 J201L.1 J501L.20 J503L.2 R214L.2 R216L.2 R217L.2 R218L.2 R219L.2 R309L.2 R312L.1 R431L.2 R603L.2 R604L.2 U201L.1 U201L.24 U201L.36 U201L.48 U302L.4 U404L.3 U404L.4 U602L.5 U701L.3 U801L.8 U802L.5 U802L.8 | length 287.3
  L1 w0.2: R218L.2@39.9,68.045 R218L.2@39.9,68.075
  L1 w0.25: J201L.1@19.9,78 21,78 22.2,76.8 22.2,75 22.433,74.767 22.851,74.767 23,74.618 R214L.2@23,74.575 23.754,74.575 23.9,74.721 23.9,75.854 24.046,76 27.1,76 27.8,76.7 29.725,76.7 ; v1(30.4,79.861) 30.439,79.861 30.775,79.525 30.775,78.825 C702L.2@30.75,78.8 30.75,78.764 30.44,78.454 C701L.2@30.44,77.4 30.44,76.846 30.294,76.7 29.8,76.7 29.725,76.625 29.725,75.325 ; U701L.3@31.375,75.325 29.725,75.325 ; C217L.2@33.06,72.3 33.06,71.56 33,71.5 ; R431L.2@33.075,78.3 33.067,78.308 33.067,79.292 C216L.2@33.06,79.3 33.08,79.32 33.08,80.18 33.101,80.18 33.421,80.5 36.9,80.5 37.25,80.15 U201L.24@37.25,79.2 U201L.24@37.25,78.664 ; R309L.2@34.975,60 34.981,60.006 34.981,61.106 v1(34.987,61.113) ; J501L.20@35.25,154.6 35.25,155.75 v1(35.3,155.8) ; R217L.2@39,68.075 39.037,68.038 39.037,67.563 39.2,67.4 39.9,67.4 ; R218L.2@39.9,68.075 39.9,67.4 ; C312L.2@42.34,59.1 42.506,58.934 42.966,58.934 43.2,58.7 ; 42.696,72.25 45.21,72.25 45.874,71.586 45.874,71.583 C219L.2@46.056,71.4 ; R312L.1@44.1,54.475 44.013,54.562 43.638,54.562 43.2,55 43.2,58.7 ; v1(45.6,60.7) 45.625,60.675 45.625,59.525 U302L.4@45.65,59.5 45.627,59.477 45.627,58.927 45.513,58.813 45.4,58.7 43.2,58.7 ; R219L.2@46.925,73.3 R216L.2@46.925,72.4 46.882,72.4 46.675,72.193 46.675,72.092 46.433,71.85 46.411,71.85 46.246,71.685 46.246,71.583 46.064,71.4 C219L.2@46.06,71.4 46.06,68.18 48.02,66.22 ; 51.84,66.44 51.84,67.175 52.05,67.175 U602L.5@52.05,67.375 ; 29.725,75.325 29.725,72.275 30.5,71.5 33,71.5 ; 33,71.5 34.3,71.5 35.04,72.24 35.79,72.24 U201L.36@35.8,72.25 38.85,72.25 40,73.4 41.546,73.4 42.75,72.196 U201L.48@42.75,70.8 42.75,69.09 C218L.2@42.9,68.94 42.84,68.88 42.38,68.88 42.2,68.7 42.2,67.546 42.054,67.4 39.9,67.4
  L1 w0.3: 45.513,58.813 46.3,58.027 46.3,56.4 46.7,56 47.3,56 47.8,56.5 47.8,66 48.02,66.22 48.24,66.44 48.6,66.44 49.6,66.44 C611L.2@50.6,66.44 51.84,66.44
  L1 w0.4: U802L.8@30.025,122.225 30.025,123.366 30.259,123.6 31.7,123.6 ; U802L.5@31.975,122.225 31.975,123.325 31.7,123.6 ; C802L.2@33.6,119.6 34.375,119.6 35.6,120.825 C417L.2@35.6,120.845 ; C416L.2@40.44,124.5 40.46,124.5 40.975,123.985 U404L.4@40.975,122.95 40.975,121.579 v1@41.2,121.354 ; v1(41.2,139.636) 42.536,139.636 43.7,140.8 47.4,140.8 50.9,144.3 v1(51.3,144.3) ; C415L.2@41.56,124.5 41.615,124.445 41.615,122.96 U404L.3@41.625,122.95 41.615,122.94 41.615,121.77 v1@41.2,121.354 ; v1@45.5,120.3 v1(45.3,120.3) ; C801L.2@46.4,120.3 46.38,120.32 45.32,120.32 v1(45.3,120.3) ; C801L.2@46.7,120.3 47.975,121.575 47.975,122.175 U801L.8@48.025,122.225 ; v1(47.2,80.7) 48.1,81.6 51.3,81.6 ; FB201L.1@51.34,79.1 51.3,79.14 51.3,80.6 51.3,81.6 ; U602L.5@51.85,67.375 51.893,67.418 51.893,68.093 53.4,69.6 55.7,69.6 ; C612L.2@55.7,66.85 55.7,69.6 ; J503L.2@62.865,69.69 62.775,69.6 55.7,69.6 ; 31.7,123.6 35.266,123.6 35.6,123.266 C417L.2@35.6,120.85 C417L.2@35.6,120.845 ; C417L.2@35.6,120.845 36.145,120.3 41.2,120.3 ; 41.2,120.3 v1(41.2,121.3) v1@41.2,121.354 ; 41.2,120.3 v1(45.3,120.3) ; 51.3,81.6 55.466,81.6 55.7,81.366 55.7,69.6
  L4 w0.25: v1(34.987,61.113) 34.987,62.487 35.5,63 45.2,63 45.6,62.6 v1(45.6,60.7)
  L4 w0.3: v1(30.4,79.861) 30.439,79.9 32.774,79.9 33.074,80.2 v1(33.1,80.2)
  L4 w0.4: v1(35.3,155.8) 35.3,156.4 35.6,156.7 44.2,156.7 44.7,156.2 44.7,150.9 v1(51.3,144.3) ; v1(41.2,121.3) v1(41.2,139.636) ; 45.6,120.3 45.6,118.1 47.45,116.25 47.45,83.887 47.2,83.637 v1(47.2,80.7)
5V: C303L.2 C404L.2 C405L.2 C406L.2 C407L.2 C408L.2 C409L.2 C418L.2 C419L.2 C507L.2 C508L.2 C606L.2 C607L.2 C608L.2 C609L.2 C613L.2 C614L.2 J503L.1 J504L.3 J505L.3 L601L.2 R601L.2 U301L.1 U401L.8 U402L.8 U403L.8 U405L.8 U602L.1 U602L.3 | length 296.4
  L1 w0.25: C303L.2@35.84,57 36.006,56.834 36.154,56.834 36.191,56.796 37.104,56.796 37.25,56.942 U301L.1@37.25,57.43
  L1 w0.3: R601L.2@16.4,66.4 16.507,66.507 16.507,66.824 16.682,67 20.627,67 20.677,66.95 20.85,66.95 v1(21.4,66.4) ; v1(32.711,52.868) 32.711,55.411 33.4,56.1 35.1,56.1 35.663,56.663 35.663,56.84 35.823,57 C303L.2@35.84,57
  L1 w0.4: C407L.2@32.2,106.75 32.41,106.96 36.6,106.96 ; C405L.2@32.2,131.75 32.2,131.755 32.472,132.027 32.477,132.027 32.515,132.065 36.6,132.065 ; v1(36.6,106.1) 36.6,106.96 ; v1(36.6,133.7) 36.6,132.065 ; v1(37.5,100.2) v1(42.5,100.2) 43.5,99.2 49.6,99.2 50.3,98.5 50.3,96.3 v1(51.5,95.1) ; U402L.8@37.905,104.475 U402L.8@37.905,104.675 37.905,106.705 38.16,106.96 ; U401L.8@37.905,129.675 37.905,131.81 38.16,132.065 ; C404L.2@39.495,132.065 38.16,132.065 ; C406L.2@39.5,106.96 38.16,106.96 ; C408L.2@40.5,107.84 41.84,107.84 ; C418L.2@40.5,132.94 40.555,132.885 43.4,132.885 ; U403L.8@42.095,110.325 42.095,108.095 41.84,107.84 ; 42.095,132.9 U405L.8@42.095,135.325 ; v1(43.4,106.2) 43.4,107.84 ; v1(43.4,133.8) 43.4,132.885 ; C409L.2@47.8,108.15 47.8,108.145 47.528,107.873 47.523,107.873 47.49,107.84 43.4,107.84 ; C419L.2@47.8,133.25 47.8,133.245 47.528,132.973 47.523,132.973 47.435,132.885 43.4,132.885 ; v1@52.4,62.054 v1(52.4,62) 52.38,62.02 52.38,62.95 C614L.2@52.36,62.97 52.34,62.97 52.23,63.08 52.23,63.1 51.85,63.48 U602L.1@51.85,64.625 51.87,64.645 51.87,65.366 52.104,65.6 53.496,65.6 53.73,65.366 53.73,64.745 53.85,64.625 53.85,64.161 54.084,63.927 60.201,63.927 60.435,64.161 J503L.1@60.435,67.15 60.285,67 57.55,67 C613L.2@57.4,66.85 ; 36.6,106.96 38.16,106.96 ; 36.6,132.065 38.16,132.065 ; 41.84,107.84 43.4,107.84
  L1 w0.6: J505L.3@23.73,147 23.907,146.823 24.227,146.823 25.85,145.2 C508L.2@25.85,145.1
  L1 w0.8: J505L.3@23.73,147 J505L.3@23.869,146.861 ; C508L.2@26.05,144.8 28.5,144.8 32.6,140.7 37.8,140.7 v1(38,140.5) v1(42,140.5) 43.4,141.9 v1(46.6,141.9) 50.1,145.4 52.13,145.4 ; J504L.3@53.73,147 52.13,145.4 ; C507L.2@54.15,145.1 54.15,145.2 53.95,145.4 52.13,145.4
  L4 w0.4: v1(36.6,106.1) 37.5,105.2 v1(37.5,100.2) ; v1(36.6,133.7) 38,135.1 v1(38,140.5) ; v1(42,140.5) 42,135.2 v1(43.4,133.8) ; v1(42.5,100.2) 42.5,105.354 43.346,106.2 v1(43.4,106.2)
  L4 w0.8: v1(21.4,66.4) 27.3,66.4 28.3,65.4 v1(28.3,59) v1(28.3,58) v1(28.3,57) 28.3,55.269 31.869,51.7 33,51.7 ; v1(32.711,52.868) 32.711,52.429 33,52.14 33,51.7 ; v1(46.6,141.9) 51.5,137 v1(51.5,95.1) 51.5,93.6 52.4,92.7 v1(52.4,62) 52.4,54.7 49.4,51.7 33,51.7
ADC1_IN0: C201L.2 R201L.2 U201L.10 | length 13.1
  L1 w0.25: U201L.10@44.2,76.75 46.154,76.75 46.3,76.896 46.3,79.8 45.6,80.5 45.6,83 46.1,83.5 47.829,83.5 47.975,83.646 47.975,84.085 ; C201L.2@47.5,84.56 47.5,84.556 47.701,84.355 47.705,84.355 47.975,84.085 ; R201L.2@48.5,84.575 48.5,84.532 48.351,84.383 48.308,84.383 48.01,84.085 47.975,84.085
ADC1_IN1: C202L.2 R202L.2 U201L.11 | length 10.4
  L1 w0.25: U201L.11@44.2,77.25 45.554,77.25 45.7,77.396 45.7,79.2 44.8,80.1 44.8,83.3 45.5,84 C202L.2@45.5,84.56 45.508,84.567 46.493,84.567 R202L.2@46.5,84.575
ADC1_IN2: C203L.2 R203L.2 U201L.12 | length 9
  L1 w0.25: C203L.2@43.5,84.56 43.5,84.556 43.701,84.355 43.705,84.355 43.975,84.085 ; U201L.12@44.2,77.75 44.21,77.76 44.938,77.76 45.1,77.921 45.1,78.7 43.975,79.825 43.975,84.085 ; R203L.2@44.5,84.575 44.5,84.532 44.351,84.383 44.308,84.383 44.01,84.085 43.975,84.085
ADC1_IN3: C204L.2 R204L.2 U201L.13 | length 6.9
  L1 w0.25: C204L.2@41.5,84.56 41.5,84.556 41.701,84.355 41.705,84.355 41.985,84.075 42,84.075 ; R204L.2@42.5,84.575 42.5,84.532 42.351,84.383 42.308,84.383 42,84.075 ; U201L.13@42.75,79.2 42.75,83.35 42.6,83.5 42.146,83.5 42,83.646 42,84.075
ADC1_IN8: C211L.2 R211L.2 U201L.18 | length 13.3
  L1 w0.25: C211L.2@31.5,84.56 31.508,84.567 32.464,84.567 32.464,82.236 33.7,81 40.1,81 40.25,80.85 U201L.18@40.25,79.2
ADC2_IN4: C205L.2 R205L.2 U201L.14 | length 8.4
  L1 w0.25: C205L.2@39.5,84.56 39.5,84.556 39.701,84.355 39.705,84.355 39.975,84.085 ; R205L.2@40.5,84.575 40.5,84.532 40.351,84.383 40.308,84.383 40.01,84.085 39.975,84.085 ; U201L.14@42.25,79.2 42.25,82.854 42.104,83 40.2,83 39.975,83.225 39.975,84.085
ADC2_IN5: C206L.2 R206L.2 U201L.15 | length 9.9
  L1 w0.25: C206L.2@37.5,84.56 37.5,84.556 37.701,84.355 37.705,84.355 37.975,84.085 ; R206L.2@38.5,84.575 38.5,84.532 38.351,84.383 38.308,84.383 38.01,84.085 37.975,84.085 ; U201L.15@41.75,79.2 41.75,82.354 41.604,82.5 38.122,82.5 37.975,82.646 37.975,84.085
ADC2_IN6: C207L.2 R209L.2 U201L.16 | length 11.4
  L1 w0.25: C207L.2@35.5,84.56 35.5,84.556 35.701,84.355 35.705,84.355 35.985,84.075 36,84.075 ; R209L.2@36.5,84.575 36.5,84.532 36.351,84.383 36.308,84.383 36,84.075 ; U201L.16@41.25,79.2 41.25,81.854 41.104,82 36.146,82 36,82.146 36,84.075
ADC2_IN7: C208L.2 R210L.2 U201L.17 | length 12.9
  L1 w0.25: C208L.2@33.5,84.56 33.5,84.556 33.701,84.355 33.705,84.355 33.977,84.083 33.982,84.083 ; R210L.2@34.5,84.575 34.5,84.532 34.351,84.383 34.308,84.383 34.007,84.083 33.982,84.083 ; U201L.17@40.75,79.2 40.75,81.383 40.633,81.5 34.129,81.5 33.982,81.646 33.982,84.082
Boost_C\S\: R312L.2 U201L.22 U302L.1 | length 44.6
  L1 w0.25: v1(37.4,73.4) 37.454,73.454 37.454,73.801 38.25,74.596 U201L.22@38.25,79.2 ; R312L.2@44.1,55.325 v1(44.1,56.1) 44.1,56.168 44.35,56.418 U302L.1@44.35,57.3
  L4 w0.25: v1(37.4,73.4) 37.4,67.446 37.646,67.2 48.2,67.2 49.5,65.9 49.5,55.8 48,54.3 44.6,54.3 44.052,54.848 44.052,56.052 v1(44.1,56.1)
Boost_COMP: C308L.2 U301L.6 | length 2.3
  L1 w0.25: U301L.6@39.75,57.43 39.75,57.15 39.9,57 40.76,57 41.255,57.495 41.255,57.499 41.456,57.7 C308L.2@41.46,57.7
Boost_COMP_Mid: C308L.1 R307L.2 | length 1.9
  L1 w0.25: R307L.2@42.34,55.8 C308L.1@42.34,57.7
Boost_CS: C311L.2 R302L.1 U301L.5 | length 3.5
  L1 w0.25: R302L.1@38.9,55.625 38.9,55.7 39.675,56.475 ; U301L.5@39.25,57.43 39.25,56.9 39.675,56.475 ; C311L.2@40.5,55.65 39.675,56.475
Boost_Diode_A: D301L.2 L301L.2 Q301L.5 Q301L.6 Q301L.7 Q301L.8
Boost_EN: R301L.2 R314L.2 U201L.20 | length 65.3
  L1 w0.25: R301L.2@34.975,58 R314L.2@34.975,59 34.833,59.142 34.404,59.142 34.1,59.446 34.1,61.4 34.8,62.1 v1(35.8,62.1) ; v1(38.2,73.4) 38.267,73.467 38.267,73.767 39.25,74.75 U201L.20@39.25,79.2
  L4 w0.25: v1(35.8,62.1) 35.842,62.058 36.142,62.058 36.354,61.846 36.7,61.5 36.7,60.7 35.7,59.7 35.7,54.5 36.625,53.575 48.375,53.575 50.2,55.4 50.2,66.3 48.6,67.9 38.6,67.9 38.2,68.3 v1(38.2,73.4)
Boost_FB: R303L.1 R304L.1 R305L.2 U301L.8 | length 6.2
  L1 w0.25: U301L.8@39.25,59.37 39.25,60.05 39.6,60.4 39.746,60.4 ; R303L.1@39.6,61.096 R303L.1@39.6,61.175 39.6,60.546 39.746,60.4 ; 41.1,60.5 R304L.1@41.1,61.175 ; R305L.2@42.4,61.075 42.4,60.546 42.254,60.4 39.746,60.4
Boost_FB_Inject: R304L.2 U302L.6 | length 6.3
  L1 w0.25: R304L.2@41.1,62.625 41.129,62.625 41.554,63.05 43.25,63.05 43.9,62.4 43.9,60.2 44.175,59.925 44.175,59.575 U302L.6@44.25,59.5
Boost_Gate: Q301L.4 U301L.3 | length 6.8
  L1 w0.3: Q301L.4@38.095,50.735 38.095,56.805 38.25,56.96 U301L.3@38.25,57.43